# KiCad board XIAO ePaper Display Board EE03_V1.0.kicad_pcb
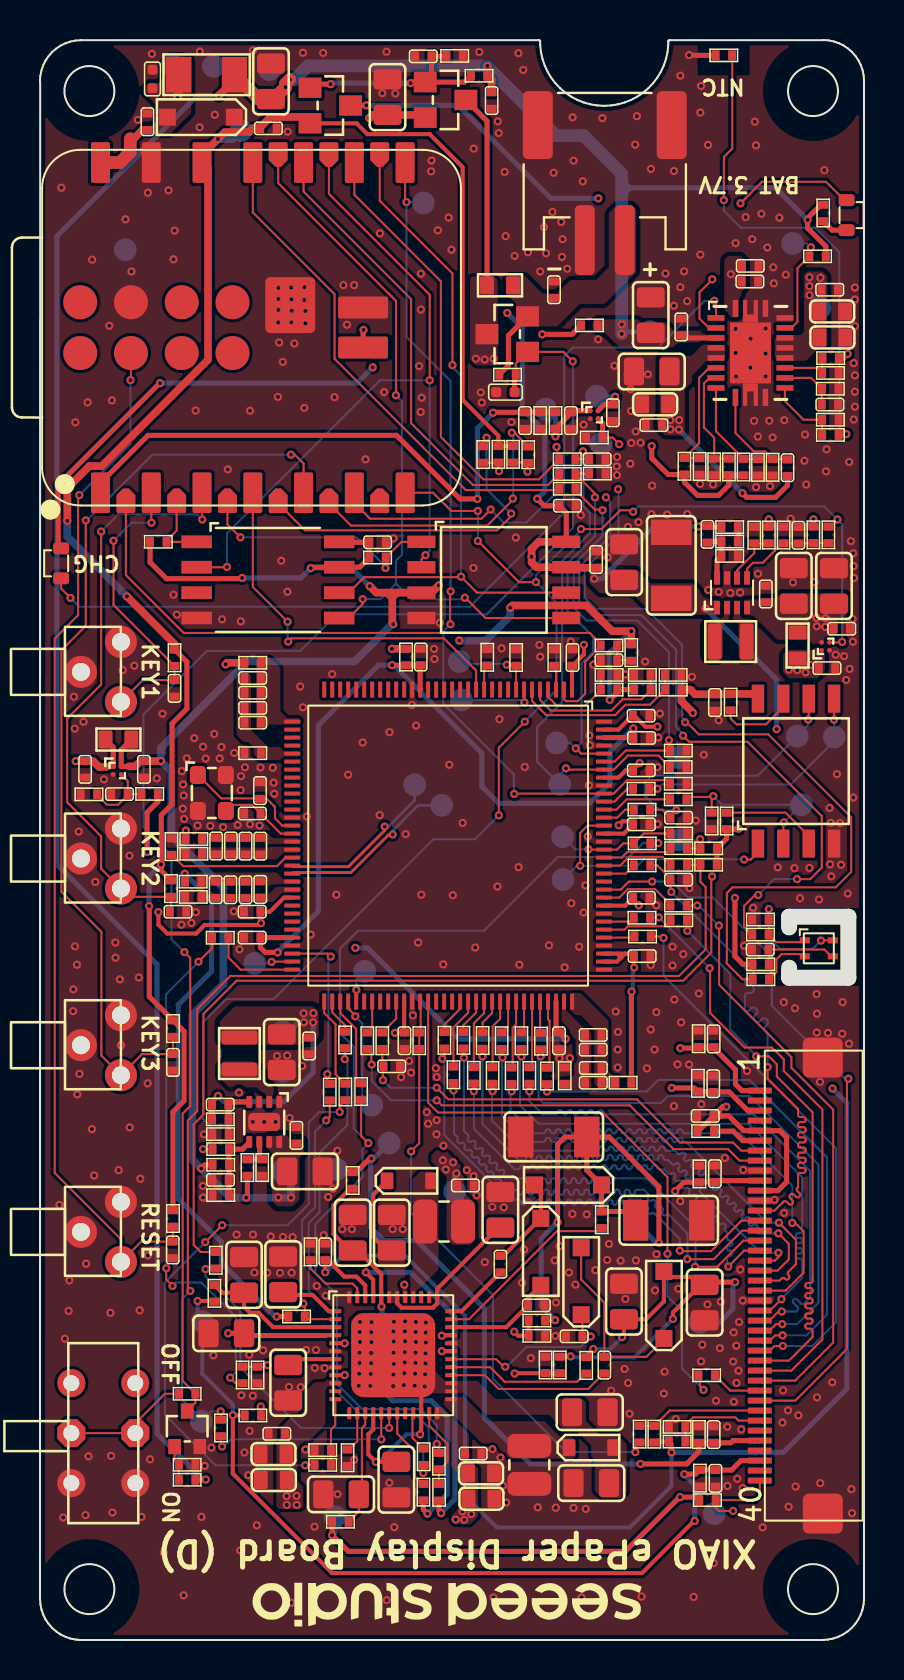
[diagram p0: board, top side]
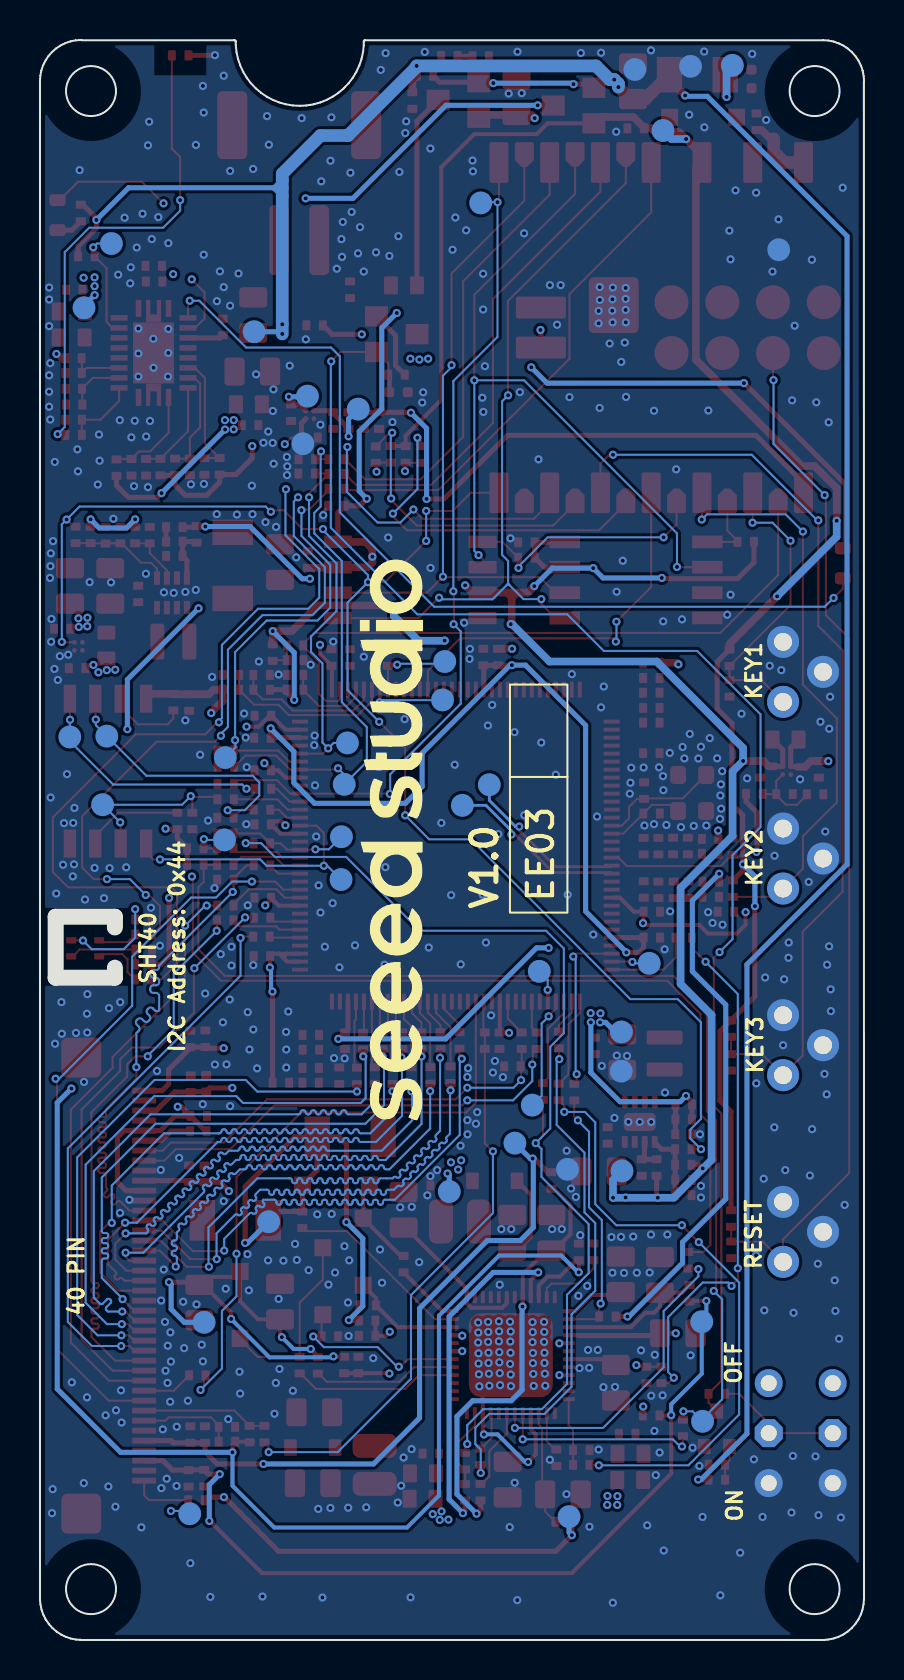
[diagram p1: board, bottom side, seen from below]

Outline 41.23 x 80 mm; copper layers: Top, In1.Cu, In2.Cu, Bottom. Coordinates in mm from the lower left corner of the outline.
Outline path: circle c2.47,77.45 r1.25 ; circle c2.47,2.54 r1.25 ; circle c38.68,77.45 r1.25 ; circle c38.68,2.54 r1.25 ; 37.48,35.63 37.48,36.16 40.45,36.16 40.45,33.11 37.48,33.11 37.48,33.61 ; 0,77.94 0.02,78.2 0.07,78.47 0.16,78.72 0.28,78.96 0.42,79.19 0.6,79.39 0.8,79.57 1.03,79.71 1.27,79.83 1.52,79.92 1.79,79.97 2.04,79.99 2.04,79.99 24.97,79.99 24.99,79.99 25.03,79.95 25.03,79.93 25.03,79.92 25.03,79.74 25.07,79.4 25.14,79.06 25.25,78.73 25.4,78.41 25.58,78.12 25.79,77.84 26.03,77.59 26.29,77.36 26.58,77.17 26.89,77.01 27.21,76.88 27.54,76.78 27.89,76.73 28.23,76.71 28.58,76.73 28.92,76.78 29.26,76.88 29.58,77.01 29.89,77.17 30.17,77.36 30.44,77.59 30.68,77.84 30.89,78.12 31.07,78.41 31.21,78.73 31.32,79.06 31.4,79.4 31.44,79.74 31.44,79.92 31.44,79.92 31.44,79.95 31.47,79.99 31.5,79.99 39.15,79.99 39.18,80 39.45,79.98 39.71,79.93 39.96,79.84 40.21,79.72 40.43,79.58 40.63,79.4 40.81,79.2 40.96,78.97 41.08,78.73 41.16,78.48 41.21,78.21 41.23,77.95 41.23,2.04 41.23,2.04 41.21,1.78 41.16,1.52 41.07,1.27 40.94,1.03 40.79,0.8 40.61,0.6 40.41,0.43 40.19,0.28 39.94,0.16 39.69,0.07 39.42,0.02 39.22,0.01 39.21,0 39.19,0 1.96,0 1.94,0 1.93,0.01 1.79,0.02 1.53,0.07 1.27,0.16 1.03,0.28 0.81,0.43 0.61,0.61 0.43,0.81 0.28,1.03 0.16,1.27 0.07,1.53 0.02,1.79 0.01,2.04 0,2.06 0.01,77.91 0,77.94
Stack: Top 0.035mm / dielectric 0.1mm FR4 er 4.5 / In1.Cu 0.035mm / dielectric 1.24mm FR4 er 4.5 / In2.Cu 0.035mm / dielectric 0.1mm FR4 er 4.5 / Bottom 0.035mm

## Placement (name value [footprint] x y rotation side)
C1  4.7uF  [C0402]  28.47 48.99 0 top
C2  10uF  [C0402]  27.69 27.87 180 top
C3  1uF  [C0402]  27.69 28.6 180 top
C4  22uF  [C0805]  39.73 52.7 90 top
C5  1nF  [C0402]  31.95 38.02 180 top  (not fitted)
C6  1nF  [C0402]  17.6 28.68 180 top  (not fitted)
C7  1nF  [C0402]  31.95 41.12 180 top  (not fitted)
C8  1nF  [C0402]  27.88 59.04 180 top  (not fitted)
C9  10uF  [C0805]  37.72 52.7 90 top
C10  10uF  [C0402]  10.64 48.1 180 top
C11  1uF  [C0402]  10.64 47.36 180 top
C12  100pF  [C0402]  10.64 45.87 0 top
C13  10uF  [C0402]  8.82 39.7 270 top
C14  4.7uF  [C1206]  25.71 25.15 180 top
C15  1uF  [C0402]  9.55 39.7 270 top
C16  100pF  [C0402]  11.02 39.69 90 top
C17  10uF  [C0402]  8.79 37.52 270 top
C18  10uF  [C0402]  21.68 9.32 0 top
C19  10uF  [C0402]  14.27 19.41 90 top
C20  1uF  [C0402]  9.53 37.51 270 top
C21  10nF  [C0402]  28.24 13.74 90 top
C22  100pF  [C0402]  11.02 37.53 90 top
C23  4.7uF  [C1206]  31.46 20.98 0 top
C24  10uF  [C0805]  11.56 77.93 270 top
C25  100nF  [C0402]  36.32 52.3 90 top
C26  47uF  [C1206]  31.59 53.73 90 top
C27  100nF  [C0402]  9.03 23 0 top  (not fitted)
C28  10uF  [C0805]  29.23 53.89 90 top
C29  100nF  [C0402]  27.83 54.02 90 top
C30  470nF  [C0402]  35.54 68.7 180 top
C31  100nF  [C0402]  35.52 67.92 180 top
C34  100nF  [C0402]  10.62 36.42 180 top
C35  22uF  [C0805]  30.61 63.42 180 top
C36  100nF  [C0402]  30.72 60.74 180 top
C37  10uF  [C0603#2]  30.78 61.78 180 top
C38  100nF  [C0402]  3.98 42.29 180 top  (not fitted)
C39  1uF  [C0402]  25.72 67.51 90 top
C40  10uF  [C0603#2]  39.64 66.43 0 top
C41  1uF  [C0402]  19.18 79.18 180 top
C42  1uF  [C0402]  22.6 76.97 270 top  (not fitted)
C43  100nF  [C0402]  37.95 55.24 270 top  (not fitted)
C48  1uF  [C0402]  28.67 61.36 270 top
C49  100nF  [C0402]  26.57 60.97 270 top
C50  100nF  [C0402]  26.39 56.71 0 top
C52  1uF  [C0402]  40.12 50.56 0 top
C53  100nF  [C0402]  6.65 19.51 270 top
C54  100nF  [C0402]  6.73 47.58 270 top
C55  100nF  [C0402]  6.91 36.41 0 top
C56  100nF  [C0402]  6.66 28.88 270 top
C57  10uF  [C0603#2]  39.65 65.13 0 top
C58  100nF  [C0402]  5.38 75.91 90 top  (not fitted)
C59  100nF  [C0402]  11.43 75.58 0 top
C61  100nF  [C0402]  39.52 67.51 0 top
C62  1nF  [C0402]  24.27 60.97 270 top
C63  100nF  [C0402]  16.89 54.89 0 top  (not fitted)
C64  1uF  [C0402]  39.38 48.59 0 top
C67  220nF  [C0402]  37.4 58.62 90 top  (not fitted)
C69  10uF  [C0805]  17.39 77.14 90 top
C70  100nF  [C0402]  33.77 46.87 270 top
C71  22uF  [C0805]  30.56 66.24 90 top
C72  1uF  [C0402]  5.2 43.53 270 top
C73  1uF  [C0402]  2.26 43.53 270 top
C74  100nF  [C0402]  32.09 65.65 90 top
C75  10uF  [C0805]  13.26 23.43 0 top
C76  100nF  [C0402]  12.83 25.23 90 top
C77  10uF  [C0805]  12.1 29.39 270 top
C78  10nF  [C0402]  39.52 61.77 0 top
C81  22uF  [C0603]  22.09 7.06 180 top
C84  10uF  [C0402]  21.29 22.73 0 top
C85  100nF  [C0402]  36.04 34.52 180 top
C90  100nF  [C0402]  33.71 30.05 90 top
C91  100nF  [C0402]  33.69 27.81 90 top
C98  100nF  [C0402]  33.77 23.31 90 top
C100  22uF  [C0603]  11.68 9.3 0 top
C103  100nF  [C0402]  33.8 8.08 270 top
C104  100nF  [C0402]  33.71 10.27 90 top
C105  12pF  [C0402]  33.4 55.28 270 top  (not fitted)
C108  12pF  [C0402]  9.02 26.77 0 top  (not fitted)
C112  100nF  [C0402]  26.65 49.12 90 top
C113  100nF  [C0402]  30.09 43.48 0 top
C114  22uF  [C0603]  11.7 8 0 top
C115  100nF  [C0402]  30.09 40.78 0 top
C116  100nF  [C0402]  19.05 49.15 90 top
C117  10uF  [C0402]  11.85 10.31 180 top
C118  18pF  [C0402]  11.01 42.47 270 top
C119  4.7uF  [C0805]  15.06 7.28 180 top
C120  100nF  [C0402]  30.13 34.19 0 top
C121  100nF  [C0402]  25.97 29.96 270 top
C122  22uF  [C0603]  22.07 8.33 180 top
C123  4.7uF  [C0805]  10.21 18.26 90 top
C124  100nF  [C0402]  18.24 29.97 270 top
C125  100nF  [C0402]  10.62 35.12 180 top
C126  100nF  [C0402]  10.64 46.6 180 top
C127  100nF  [C0402]  27.68 29.52 180 top
C128  100nF  [C0402]  30.08 46.21 0 top
C129  100nF  [C0402]  30.1 45.1 0 top
C130  100pF  [C0402]  27.68 30.25 0 top
C131  18pF  [C0402]  10.63 41.33 0 top
C132  100nF  [C0402]  30.09 37.11 0 top
C133  4.7uF  [C0805]  17.83 8.02 270 top
C134  4.7uF  [C0805]  9.32 15.34 180 top
C135  4.7uF  [C0805]  12.17 18.28 90 top
C136  4.7uF  [C0805]  12.42 12.86 270 top
C137  4.7uF  [C0805]  23.04 21.51 270 top
C138  4.7uF  [C0805]  27.58 7.84 0 top
C139  100nF  [C0402]  33.29 26.2 180 top
C140  4.7uF  [C0805]  27.51 11.39 180 top
C141  10nF  [C0402]  23.04 18.79 90 top
C142  100nF  [C0402]  10.29 39.69 270 top
C143  4.7uF  [C0805]  17.6 20.37 270 top
C144  100nF  [C0402]  24.84 16.73 0 top
C145  100nF  [C0402]  26.73 15.18 180 top
C146  4.7uF  [C0805]  29.22 16.92 270 top
C147  4.7uF  [C0805]  15.65 20.37 90 top
C148  100nF  [C0402]  10.29 37.51 270 top
C149  4.7uF  [C0805]  33.26 16.87 90 top
C190  100nF  [C0402]  13.47 29.7 270 top
D1  MMSD4148  [SOD-123]  31.22 16.75 90 top
D2  B5819WS SL  [SOD-323]  27.58 9.62 0 top
D3  MMSD4148  [SOD-123]  25.06 19.41 270 top
D4  MMSD4148  [SOD-123]  26.42 22.75 180 top
D5  Green  [LED2-0.6X1.7MM]  40.36 71.24 270 top  (not fitted)
D6  MMSD4148  [SOD-123]  27.08 17.94 90 top
D7  SMF5.0CA  [SOD-123]  8.05 76.14 180 top
D8  TPD1E10B06DPYR  [ESD-0402]  5.63 78.05 270 top
D9  TPD1E10B06DPYR  [ESD-0402]  23.29 62.39 0 top
D10  B5819WS SL  [SOD-323]  18.48 22.96 0 top
D16  Green  [LED2-0.6X1.7MM]  1.06 53.83 90 top
F1  2A  [F1206]  8.34 78.26 0 top
G***  LOGO  [LOGO-SEEED-NEW-2_1X19.1MM]  20.43 1.82 180 top
G***#2  LOGO  [LOGO-SEEED-NEW-3X30MM]  23.57 39.91 90 bottom
J1  AFC24-S40FIA-00  [FPC40_0D5_23_5X4_9X2MM]  36.02 17.72 90 top
J3  A2001WF-02A  [JST2+2P_2.0_PH_S2B-PH-SM4-TB_1x02-1MP_Horizontal]  28.26 72.84 180 top
L3  2.2uH  [L2520]  20.22 20.92 0 top
L5  4.7uH  [L2520]  24.49 8.76 270 top
L6  1uH  [L2016]  34.56 49.92 180 top
L7  1uH  [L2016]  9.98 29.32 90 top
Q3  CJ3407  [SOT23]  23.38 65.29 0 top
Q4  LBSS138WT1G  [SOT-323]  7.37 10.56 270 top
Q5  CJ3407  [SOT23]  20.29 77 180 top
Q7  CJ3407  [SOT23]  14.53 76.72 180 top  (not fitted)
R1  47K  [R0402]  32.92 27.83 270 top
R2  100R  [R0402]  28.47 49.73 180 top
R3  47K  [R0402]  33.02 8.09 90 top
R4  47K  [R0402]  32.97 10.27 270 top
R5  47K  [R0402]  32.96 30.06 270 top
R7  0R  [R0402]  26.39 57.56 0 top
R8  22R  [R0402]  7.37 12.31 0 top
R9  0R  [R0402]  26.38 58.3 0 top
R10  0R  [R0402]  26.38 59.04 0 top
R11  4.7K  [R0402]  22.94 59.28 90 top  (not fitted)
R12  0R  [R0402]  24.43 59.27 90 top
R13  0R  [R0603]  37.91 49.72 270 top  (not fitted)
R14  0R  [R0603]  3.93 45.02 180 top  (not fitted)
R15  100K  [R0402]  37.21 55.25 270 top
R16  1K  [R0402]  7.36 8.01 180 top
R17  0R  [R0402]  22.18 59.27 90 top
R18  4.7K  [R0402]  33.46 39.58 0 top
R19  4.7K  [R0402]  33.46 38.76 0 top
R20  NCP15XH103F03RC  [R0402]  34.22 79.23 0 top
R21  0R  [R0402]  39.55 60.25 180 top
R22  1K  [R0402]  39.56 64.09 180 top  (not fitted)
R23  4.7K  [R0402]  23.67 59.28 90 top  (not fitted)
R24  100K  [R0402]  38.7 55.26 90 top  (not fitted)
R25  100K  [R0402]  9.04 23.76 180 top
R26  0R  [R0402]  39.55 61.01 180 top  (not fitted)
R27  100K  [R0402]  27.74 60.12 0 top
R28  10K  [R0402]  25.8 60.97 270 top
R29  10K  [R0402]  25.03 60.97 90 top
R30  10K  [R0402]  38.91 69.18 0 top
R31  10K  [R0402]  16.89 54.12 180 top
R32  0R  [R0603]  23.02 67.73 0 top  (not fitted)
R33  80.6K  [R0402]  39.55 63.35 180 top
R34  100K  [R0402]  2.45 42.28 0 top
R35  10K  [R0402]  6.66 21.08 90 top
R36  10K  [R0402]  6.73 49.11 90 top
R37  10K  [R0402]  6.55 37.57 90 top
R38  10K  [R0402]  6.66 30.57 90 top
R39  10K  [R0402]  5.92 54.91 180 top  (not fitted)
R40  100K  [R0402]  7.36 8.76 180 top
R41  10K  [R0402]  19.97 7.38 270 top
R42  3.57K  [R0402]  36.65 58.64 90 top
R43  100K  [R0402]  20.75 79.2 180 top
R44  100K  [R0402]  33 23.3 270 top
R45  0R  [R0402]  31.96 39.59 0 top
R46  0R  [R0402]  31.96 38.75 0 top
R47  0R  [R0402]  30.13 38.73 0 top
R48  0R  [R0402]  25.37 28.2 270 top
R49  0R  [R0402]  25.07 29.94 270 top
R50  100K  [R0402]  28.47 47.52 180 top
R51  100K  [R0402]  28.47 48.25 0 top  (not fitted)
R52  0R  [R0402]  24.49 28.22 270 top
R53  100K  [R0402]  30.14 47.52 0 top  (not fitted)
R54  100K  [R0402]  30.14 48.25 180 top
R55  100K  [R0402]  31.68 47.52 180 top  (not fitted)
R56  100K  [R0402]  31.68 48.25 0 top
R57  0R  [R0402]  30.13 39.83 0 top  (not fitted)
R58  12K  [R0402]  6.58 39.67 270 top
R59  0R  [R0402]  33.36 13.23 0 top
R60  0R  [R0402]  33.4 6.99 0 top
R61  0R  [R0402]  24.09 29.96 270 top
R62  1M  [R0402]  23.39 63.27 0 top
R63  100K  [R0402]  10.89 13.25 90 top
R64  0R  [R0402]  23.6 28.21 270 top
R65  0R  [R0402]  23.1 29.96 270 top
R66  0R  [R0402]  22.65 28.22 270 top
R67  0R  [R0402]  22.15 29.97 270 top
R68  0R  [R0402]  21.71 28.23 270 top
R69  100K  [R0402]  36.47 55.25 90 top  (not fitted)
R70  0R  [R0402]  5.49 42.3 0 top
R71  10K  [R0402]  25.73 49.12 90 top
R72  0R  [R0402]  18.31 49.15 270 top
R73  0R  [R0402]  10.64 48.86 0 top
R74  0R  [R0402]  10.64 44.34 0 top
R75  0R  [R0402]  29.18 27.87 180 top
R76  0R  [R0402]  26.26 28.21 270 top
R77  10K  [R0402]  23.83 49.12 90 top
R78  100K  [R0402]  35.74 55.24 270 top
R79  49.9R  [R0402]  34.51 55.64 180 top
R80  100K  [R0402]  31.94 42.81 0 top
R81  100K  [R0402]  31.93 43.65 0 top
R82  100K  [R0402]  31.94 44.47 0 top
R83  100K  [R0402]  27.89 58.32 0 top
R84  36K  [R0402]  39.54 62.56 180 top
R85  0R  [R0402]  21.19 29.98 270 top
R86  0R  [R0402]  20.69 28.26 270 top
R87  0R  [R0402]  20.24 29.98 270 top
R88  0R  [R0402]  30.12 36.11 0 top
R89  0R  [R0402]  31.96 35.99 0 top
R90  0R  [R0402]  30.15 35.17 0 top
R91  0R  [R0402]  17.13 29.96 270 top
R92  0R  [R0402]  16.38 29.96 270 top
R93  0R  [R0402]  30.08 42.56 0 top
R94  0R  [R0402]  31.94 42.03 0 top
R95  0R  [R0402]  30.12 41.52 0 top
R96  0R  [R0402]  15.28 27.4 270 top
R97  0R  [R0402]  7.7 40.05 0 top
R98  0R  [R0402]  7.7 39.31 0 top
R99  0R  [R0402]  7.67 37.92 0 top
R100  10K  [R0402]  34.36 40.95 270 top
R101  10K  [R0402]  34.56 46.89 90 top
R102  0R  [R0402]  7.67 37.15 0 top
R103  0R  [R0402]  15.03 5.91 0 top
R104  0R  [R0402]  8.73 17.33 90 top
R105  0R  [R0402]  10.14 13.25 90 top
R106  10K  [R0402]  12.84 16.17 180 top
R107  0R  [R0402]  10.65 11.23 0 top
R108  0R  [R0402]  14.15 8.76 0 top
R109  0R  [R0402]  19.19 7.39 90 top
R110  0R  [R0402]  19.2 9.16 90 top
R111  0R  [R0402]  15.39 9.11 90 top
R112  43K  [R0402]  13.54 19.41 90 top
R113  0R  [R0402]  28.11 21.01 90 top
R114  0R  [R0402]  31.95 36.72 0 top
R115  10K  [R0402]  33.61 40.95 270 top
R116  0R  [R0402]  15.65 22.98 90 top
R117  1M  [R0402]  26.01 13.75 270 top
R118  52.3K  [R0402]  25.3 13.75 90 top
R119  1M  [R0402]  24.86 15.97 180 top
R120  36.5K  [R0402]  24.86 15.21 180 top
R121  0R  [R0402]  31.88 9.92 0 top
R122  0R  [R0402]  31.88 10.66 180 top  (not fitted)
R123  0R  [R0402]  15.27 30 270 top
R124  10K  [R0402]  31.95 40.33 180 top  (not fitted)
R125  10K  [R0402]  29.59 49.37 90 top
R126  0R  [R0402]  30 10.29 90 top  (not fitted)
R127  10K  [R0402]  30.74 10.29 270 top
R128  0R  [R0402]  18.98 29.97 90 top  (not fitted)
R129  1M  [R0402]  14.15 9.49 180 top
R130  0R  [R0402]  27.33 13.73 270 top
R131  0R  [R0402]  14.5 27.39 90 top
R132  0R  [R0402]  19.96 8.94 270 top
R133  0R  [R0402]  9.02 35.11 0 top
R134  511K  [R0402]  34.51 54.92 0 top
R135  91K  [R0402]  34.51 54.2 0 top
R136  100K  [R0402]  9.04 22.24 180 top  (not fitted)
R137  100K  [R0402]  10.38 23.62 270 top  (not fitted)
R138  100K  [R0402]  11.12 23.62 90 top
R139  100K  [R0402]  32.24 58.69 270 top
R140  200K  [R0402]  9.02 26.03 180 top
R141  100K  [R0402]  9.03 25.29 0 top
R142  10K  [R0402]  33 58.68 90 top  (not fitted)
R143  10K  [R0402]  34.47 58.66 90 top
R144  10K  [R0402]  33.73 58.66 90 top  (not fitted)
R145  10K  [R0402]  21.97 78.21 0 top
R146  10K  [R0402]  35.2 58.65 90 top
R147  10K  [R0402]  35.92 58.64 90 top  (not fitted)
R148  10K  [R0402]  39.19 71.35 90 top  (not fitted)
R149  10K  [R0402]  27.49 65.73 0 top
R150  0R  [R0402]  16.07 27.42 270 top
R152  0R  [R0402]  36.06 33.78 0 top
R153  0R  [R0402]  36.05 36.02 0 top
R154  0R  [R0402]  36.05 35.27 180 top
R155  0R  [R0402]  36.07 33.03 180 top
R156  0R  [R0402]  9.06 10.6 270 top
R157  0R  [R0402]  8.8 18.99 270 top
R158  0R  [R0402]  39.45 55.26 270 top
R159  0R  [R0402]  9.04 24.54 180 top  (not fitted)
R249  10K  [R0402]  33.31 25.44 180 top
R255  10K  [R0402]  22.38 49.13 90 top
SW1  MK-22D18 G3  [SW6-2CH-2.54-9X3.5X3.5]  3.17 10.34 0 top
SW2  EL-4501V  [SW3-DIP-SIDE-4.5X4.5X5.5MM]  4.05 20.41 270 top
SW3  EL-4501V  [SW3-DIP-SIDE-4.5X4.5X5.5MM]  4.05 48.41 270 top
SW4  EL-4501V  [SW3-DIP-SIDE-4.5X4.5X5.5MM]  4.05 39.07 270 top
SW5  EL-4501V  [SW3-DIP-SIDE-4.5X4.5X5.5MM]  4.05 29.74 270 top
TP3  Test Point  [TP-D45MIL]  27.85 62.19 0 bottom
TP4  Test Point  [TP-D45MIL]  28.08 59.81 0 bottom
TP7  Test Point  [TP-D45MIL]  6.59 78.73 0 bottom
TP8  Test Point  [TP-D45MIL]  8.68 78.68 0 bottom
TP10  Test Point  [TP-D45MIL]  10.06 75.47 180 bottom
TP11  Test Point  [TP-D45MIL]  16.25 33.43 180 bottom
TP12  Test Point  [TP-D45MIL]  16.6 26.74 180 bottom
TP13  Test Point  [TP-D45MIL]  11.47 78.52 180 bottom
TP15  Test Point  [TP-D45MIL]  25.31 61.54 180 bottom
TP16  Test Point  [TP-D45MIL]  14.84 23.53 180 bottom
TP17  Test Point  [TP-D45MIL]  12.15 28.44 180 bottom
TP18  Test Point  [TP-D45MIL]  37.66 69.82 180 bottom
TP19  Test Point  [TP-D45MIL]  18.75 42.76 180 bottom
TP20  Test Point  [TP-D45MIL]  8.12 15.91 0 bottom
TP21  Test Point  [TP-D45MIL]  17.47 24.84 0 bottom
TP22  Test Point  [TP-D45MIL]  20.75 22.42 0 bottom
TP23  Test Point  [TP-D45MIL]  33.02 15.88 0 bottom
TP24  Test Point  [TP-D45MIL]  29.79 20.91 0 bottom
TP25  Test Point  [TP-D45MIL]  20.1 41.73 180 bottom
TP26  Test Point  [TP-D45MIL]  30.52 65.41 180 bottom
TP27  Test Point  [TP-D45MIL]  39.03 66.61 180 bottom
TP31  Test Point  [TP-D45MIL]  33.74 6.31 0 bottom
TP32  Test Point  [TP-D45MIL]  14.76 6.17 0 bottom
TP37  Test Point  [TP-D45MIL]  26.17 38.02 180 bottom
TP38  Test Point  [TP-D45MIL]  38.1 41.76 180 bottom
TP39  Test Point  [TP-D45MIL]  39.74 45.15 180 bottom
TP40  Test Point  [TP-D45MIL]  37.89 45.19 180 bottom
TP41  Test Point  [TP-D45MIL]  4.27 69.51 180 bottom
TP42  Test Point  [TP-D45MIL]  8.08 10.93 180 bottom
TP43  Test Point  [TP-D45MIL]  32 40 180 bottom
TP44  Test Point  [TP-D45MIL]  26.01 42.78 180 bottom
TP45  Test Point  [TP-D45MIL]  19.18 71.85 180 bottom
TP46  Test Point  [TP-D45MIL]  12.14 30.4 180 bottom
TP48  Test Point  [TP-D45MIL]  26.15 40.16 180 bottom
TP54  Test Point  [TP-D45MIL]  20.98 48.92 180 bottom
TP55  Test Point  [TP-D45MIL]  12.11 23.45 180 bottom
TP56  Test Point  [TP-D45MIL]  21.09 47 180 bottom
TP57  Test Point  [TP-D45MIL]  10.75 33.83 180 bottom
TP58  Test Point  [TP-D45MIL]  25.85 44.85 180 bottom
TP59  Test Point  [TP-D45MIL]  31.96 44.12 180 bottom
U1  BQ24070RHLR  [RHL20_2P05X3P05]  35.55 64.35 0 top
U3  XIAO-HALF-HOLE-33P  [XIAO-ESP32-S3-Plus-SMD]  10.65 65.62 180 top
U5  ZB25VQ32DSJG  [SOIC8-1.27-5.3X5.3MM]  22.71 53 270 top
U6  GT30L32S4W  [SOP8-1.27-5.2X5.2x2.16MM]  11.41 53 270 top  (not fitted)
U7  ZB25VQ32DSJG  [SOIC8-1.27-5.3X5.3MM]  37.83 43.44 0 top
U8  SHT40-AD1B-R2  [SMD4-1.5X1.5X0.54MM]  38.97 34.58 0 top
U10  TPS651851RSLR  [VQFN48-0.4-6X6X1MM]  17.68 14.24 0 top
U12  IT8951E/DX  [LQFP128-0.4-14X14X1.6MM]  20.42 39.72 180 top
U13  TPS631000DRLR  [SOT-583]  34.63 52.36 0 top
U14  ETA3410D2I-T  [DFN8G-0.5-2X2MM]  11.22 25.9 180 top
U17  TPS22916CYFPR  [WLCSP4-0.4-0.77X0.77X0.33MM]  27.73 61.26 0 top
U18  TPS22916CYFPR  [WLCSP4-0.4-0.77X0.77X0.33MM]  39.31 49.68 90 top
U19  TPS22916CYFPR  [WLCSP4-0.4-0.77X0.77X0.33MM]  3.87 43.47 0 top
X2  12MHz 12pF  [X4-SMD-2.5X2.0MM]  8.6 42.35 270 top

## Library data of the parts
C1 = -: Description: SMD CAP Ceramic 4.7uF-6.3V-20%-X5R;0402; Manufacturer: YAGEO; MPN: CC0402MRX5R5BB475; SKU: 302010019; Dielectric: X5R; Part Type: Ceramic; Voltage Rating: 6.3V; Status: BeagleBone Carrier Board; Temperature: -55°C to 85°C; ki_fp_filters: Capacitor:C0402
C2 C10 C13 C17-C19 C84 C117 = -: Description: SMD CAP Ceramic 10uF-10V-20%-X5R;0402; Manufacturer: YAGEO; MPN: CC0402MRX5R6BB106; SKU: 302010519; Dielectric: X5R; Voltage Rating: 10V; Status: XIAO; Temperature: -55°C to 85°C; ki_fp_filters: Capacitor:C0402
C3 C11 C15 C20 C39 C48 C52 C64 C72 C73 = -: Description: SMD CAP Ceramic 1uF-10V-10%-X5R;0402; Manufacturer: YAGEO; MPN: CC0402KRX5R6BB105; SKU: 302010040; Dielectric: X5R; Part Type: Ceramic; Voltage Rating: 10V; Status: BeagleBone Carrier Board; Temperature: -55°C to 85°C; ki_fp_filters: Capacitor:C0402
C4 C35 C71 = -: Description: SMD CAP Ceramic 22uF-25V-20%-X5R;0805; Manufacturer: Samsung; MPN: CL21A226MAYNNNE; SKU: 302013260; Dielectric: X5R; Part Type: Ceramic; Voltage Rating: 25V; Temperature: -55°C to 85°C; Priority: A; ki_fp_filters: Capacitor:C0805
C5-C8 C62 = -: Description: SMD CAP Ceramic 1nF-50V-10%-X7R;0402; Manufacturer: YAGEO; MPN: CC0402KRX7R9BB102; SKU: 302010005; Dielectric: X7R; Part Type: Ceramic; Voltage Rating: 50V; Status: RT-M7; Temperature: -55°C to 125°C; ki_fp_filters: Capacitor:C0402
C9 C28 C69 C75 C77 = -: Description: SMD CAP Ceramic;10uF-16V-10%-X5R-0805; Manufacturer: Samsung; MPN: CL21A106KOQNNNE; SKU: 302010361; Dielectric: X5R; Part Type: Ceramic; Voltage Rating: 16V; Temperature: -55°C to 85°C; Priority: A; ki_fp_filters: Capacitor:C0805
C12 C16 C22 C130 = -: Description: SMD CAP Ceramic 100pF-50V-5%-NPO;0402; Manufacturer: YAGEO; MPN: CC0402JRNPO9BN101; SKU: 302010012; Dielectric: 50V; Part Type: Ceramic; Status: Testo PoE; Temperature: -55°C to 125°C; ki_fp_filters: Capacitor:C0402
C14 C23 = -: Description: SMD CAP Ceramic 4.7uF-50V-10%-X5R;1206; Manufacturer: YAGEO; MPN: CC1206KKX5R9BB475; SKU: 302010243; Dielectric: X5R; Part Type: Ceramic; Voltage Rating: 50V; Status: BeagleBone Carrier Board; Temperature: -55°C to 85°C; ki_fp_filters: Capacitor:C1206
C21 C78 C141 = -: Description: SMD CAP Ceramic 10nF-50V-10%-X7R;0402; Manufacturer: YAGEO; MPN: CC0402KRX7R9BB103; SKU: 302010006; Dielectric: X7R; Part Type: Ceramic; Voltage Rating: 50V; Status: BeagleBone Carrier Board; Temperature: -55°C to 125°C; ki_fp_filters: Capacitor:C0402
C24 = -: Description: SMD CAP Ceramic 10uF-25V-10%-X5R;0805; Manufacturer: YAGEO; MPN: CC0805KKX5R8BB106; SKU: 302010178; Dielectric: X5R; Part Type: Ceramic; Voltage Rating: 25V; Status: BeagleBone Carrier Board; Temperature: -55°C to 85°C; ki_fp_filters: Capacitor:C0805
C25 C27 C29 C31 C34 C36 C38 C43 C49 C50 C53-C56 C58 C59 C61 C63 C70 C74 C76 C85 C112 C113 C115 C116 C120 C121 C124-C129 C132 C139 C142 C148 C190 = -: Description: SMD CAP Ceramic 100nF-16V-10%-X7R;0402; Manufacturer: YAGEO; MPN: CC0402KRX7R7BB104; SKU: 302010004; Dielectric: X7R; Part Type: Ceramic; Voltage Rating: 16V; Status: BeagleBone Carrier Board; Temperature: -55°C to 125°C; ki_fp_filters: Capacitor:C0402
C26 = -: Description: SMD CAP Ceramic 47uF-10V-20%-X5R;1206; Manufacturer: Samsung; MPN: CL31A476MPHNNNE; SKU: 302013265; Dielectric: X5R; Part Type: Ceramic; Voltage Rating: 10V; Status: reSpeaker; Temperature: -55°C to 85°C; Priority: A; ki_fp_filters: Capacitor:C1206
C30 = -: Description: SMD CAP Ceramic 470nF-10V-10%-X5R;0402; Manufacturer: YAGEO; MPN: CC0402KRX5R6BB474; SKU: 302010232; Dielectric: X5R; Part Type: Ceramic; Voltage Rating: 10V; Status: Jetson Nano; Temperature: -55°C to 85°C; ki_fp_filters: Capacitor:C0402
C37 C40 C57 = -: Description: SMD CAP Ceramic 10uF-10V-10%-X5R;0603; Manufacturer: YAGEO; MPN: CC0603KRX5R6BB106; SKU: 302010103; Dielectric: X5R; Part Type: Ceramic; Voltage Rating: 10V; Status: BeagleBone Carrier Board; Temperature: -55°C to 85°C; ki_fp_filters: Capacitor:C0603
C41 C42 = -: Description: SMD CAP Ceramic 1uF-10V-10%-X5R;0402; Manufacturer: Samsung; MPN: CL05A105KP5NNNC; SKU: 302013249; Dielectric: X5R; Part Type: Ceramic; Voltage Rating: 10V; Status: HA Voice KIT; Temperature: -55°C to 85°C; Priority: A; ki_fp_filters: Capacitor:C0402
C67 = -: Description: SMD CAP Ceramic 220nF-16V-10%-X7R;0402; Manufacturer: YAGEO; MPN: CC0402KRX7R7BB224; SKU: 302010051; Dielectric: X7R; Part Type: Ceramic; Voltage Rating: 16V; Status: RT-M7; Temperature: -55°C to 125°C; ki_fp_filters: Capacitor:C0402
C81 C100 C114 C122 = -: Description: SMD CAP Ceramic 22uF-10V-20%-X5R;0603; Manufacturer: YAGEO; MPN: CC0603MRX5R6BB226; SKU: 302010411; Dielectric: X5R; Part Type: Ceramic; Voltage Rating: 10V; Temperature: -55°C to 85°C; ki_fp_filters: Capacitor:C0603
C90 C91 C98 C103 C104 C144 C145 = -: Description: SMD CAP Ceramic 100nF-50V-10%-X7R;0402; Manufacturer: TDK; MPN: C1005X7R1H104K; SKU: 302010043; Dielectric: X7R; Part Type: Ceramic; Voltage Rating: 50V; Status: Testo PoE; Temperature: -55°C to 125°C; ki_fp_filters: Capacitor:C0402
C105 C108 = -: Description: SMD CAP Ceramic 12pF-50V-5%-NPO;0402; Manufacturer: YAGEO; MPN: CC0402JRNPO9BN120; SKU: 302010049; Part Type: Ceramic; Voltage Rating: 50V,NPO; Status: Testo PoE; Temperature: -55°C to 125°C; ki_fp_filters: Capacitor:C0402
C118 C131 = -: Description: SMD CAP Ceramic 18pF-50V-5%-NPO;0402; Manufacturer: YAGEO; MPN: CC0402JRNPO9BN180; SKU: 302010016; Dielectric: NPO; Part Type: Ceramic; Voltage Rating: 50V; Status: BeagleBone Carrier Board; Temperature: -55°C to 125°C; ki_fp_filters: Capacitor:C0402
C119 C123 C133-C138 C140 C143 C146 C147 C149 = -: Description: SMD CAP Ceramic 4.7uF-25V-10%-X5R;0805; Manufacturer: YAGEO; MPN: CC0805KKX5R8BB475; SKU: 302010146; Dielectric: X5R; Part Type: Ceramic; Voltage Rating: 25V; Status: BeagleBone Carrier Board; Temperature: -55°C to 85°C; ki_fp_filters: Capacitor:C0805
D1 D3 D4 D6 = -: Description: SMD Diode 100V-200mA;SOD-123; Manufacturer: ON; SKU: 304010007; Part Type: Diode; Rating: 100V,200mA; Status: Combox Pro; Temperature: -55°C to 150°C; ki_fp_filters: Diode:SOD-123
D2 D10 = -: Description: SMD Diode Schottky 40V-1A;SOD-323; Manufacturer: CJ; SKU: 304011053; Part Type: Schottky Diode; Rating: 40V; Status: reTerminal DM; ki_fp_filters: Diode:SOD-323
D5 D16 = -: Description: SMD LED Clear-Green;0603-90D; Manufacturer: Everlight; MPN: 27-21/GHC-YR1S2M/3C; SKU: 304090030; Part Type: LED; Status: ST_AI_CAMERA; ki_fp_filters: Diode:LED2-0.6X1.7MM
D7 = -: Description: SMD Diode TVS;5VWM;SOD-123; Manufacturer: MDD; SKU: 304051318; Part Type: TVS; Rating: 5V; Status: Voice Kit; Temperature: -55°C to 150°C; ki_fp_filters: Diode:SOD-123
D8 D9 = -: Description: SMD Diode ESD 5.5V-6V-12pF-30KV-30KV;X1SON(2); Manufacturer: TI; SKU: 304050312; Part Type: ESD; Rating: 5.5V; Temperature: -40°C to 125°C; ki_fp_filters: Diode:ESD-0402
F1 = -: Description: SMD PPTC 2A-6V;1206; Manufacturer: DaRong; MPN: SMD1206R200SF; SKU: 307010857; Part Type: Fuse; Rating: DC6V; Status: Voice Kit; Temperature: -40°C to 85°C; ki_fp_filters: Fuse:F1206
J1 = -: Description: SMD FPC CONN Pitch;40P-0.5-L23.60*W4.90*H2mm; Manufacturer: JS; SKU: 320060685; Part Type: Connection; Status: XIAO ePaper Display Board EE03; Temperature: -40°C to 85°C; ki_fp_filters: Connector:FPC40_0D5_23_5X4_9X2MM
J3 = -: Description: SMD PH Female Header-Natural;2P-2.0-90D; Manufacturer: SIGEYI; SKU: 320110026; Status: ReSpeaker V3; ki_fp_filters: Connector:JST2+2P_2.0_PH_S2B-PH-SM4-TB_1x02-1MP_Horizontal
L3 = -: Description: SMD Inductor 2.2UH-20%-2.2A;2520; Manufacturer: Murata; MPN: DFE252012P-2R2M=P2; SKU: 303011216; Part Type: Inductor; Rating: 2.2A; Status: AWS IOT Button-C6; Temperature: -40°C to 125°C; ki_fp_filters: Inductor:L2520
L5 = -: Description: SMD Inductor;4.7uH-20%-1.5A-2.5*2.0*1.2mm; Manufacturer: CODACA; MPN: CSTB252012H-4R7M; SKU: 303011790; Part Type: Inductor; Rating: 1.5A; Status: Frame 2 EVT; Temperature: -40°C to 125°C; ki_fp_filters: Inductor:L2520
L6 L7 = -: Description: SMD Inductor 1uH-20%-3.1A;L2.0*W1.6*H1.0mm; Manufacturer: Sunlord; MPN: WPN201610U1R0MTY01; SKU: 303011382; Part Type: Inductor; Rating: 3.1A; Status: HA Voice KIT; Temperature: -40°C to 125°C; ki_fp_filters: Inductor:L2016
Q3 Q5 Q7 = -: Description: SMD MOSFET P-CH 30V-4.3A;SOT-23; Manufacturer: 长电; SKU: 305030010; Part Type: PMOS; Rating: 30V;4.3A; Status: Sensor Hub; Temperature: -55°C to 150°C; ki_fp_filters: Mosfet:SOT23
Q4 = -: Description: SMD MOSFET N-CH 50V-200mA;SOT-323-3; Manufacturer: LRC; SKU: 305031542; Part Type: NMOS; Rating: 200mA; Temperature: -55°C to 150°C; ki_fp_filters: Mosfet:SOT-323
R1 R3-R5 = -: Description: SMD RES 47K-1%-1/16W;0402; Manufacturer: YAGEO; MPN: RC0402FR-0747KL; SKU: 301010054; Part Type: RES; Power Rating: 1%; Status: IOT Enabling Dongle Board; Temperature: -55°C to 155°C; ki_fp_filters: Resistor:R0402
R2 = -: Description: SMD RES 100R-5%-1/16W;0402; Manufacturer: YAGEO; MPN: RC0402JR-07100RL; SKU: 301010028; Part Type: RES; Power Rating: 5%; Status: BeagleBone Carrier Board; Temperature: -55°C to 155°C; ki_fp_filters: Resistor:R0402
R7 R9 R10 R12 R17 R21 R26 R45-R49 R52 R57 R59-R61 R64-R68 R70 R72-R76 R85-R99 R102-R105 R107-R111 R113 R114 R116 R121-R123 R126 R128 R130-R133 R150 R152-R159 = -: Description: SMD RES 0R-5%-1/16W;0402; Manufacturer: YAGEO; MPN: RC0402JR-070RL; SKU: 301010000; Part Type: RES; Power Rating: 5%; Status: BeagleBone Carrier Board; Temperature: -55°C to 155°C; ki_fp_filters: Resistor:R0402